# KiCad board Polygonus-Universal-Base.kicad_pcb (continued)
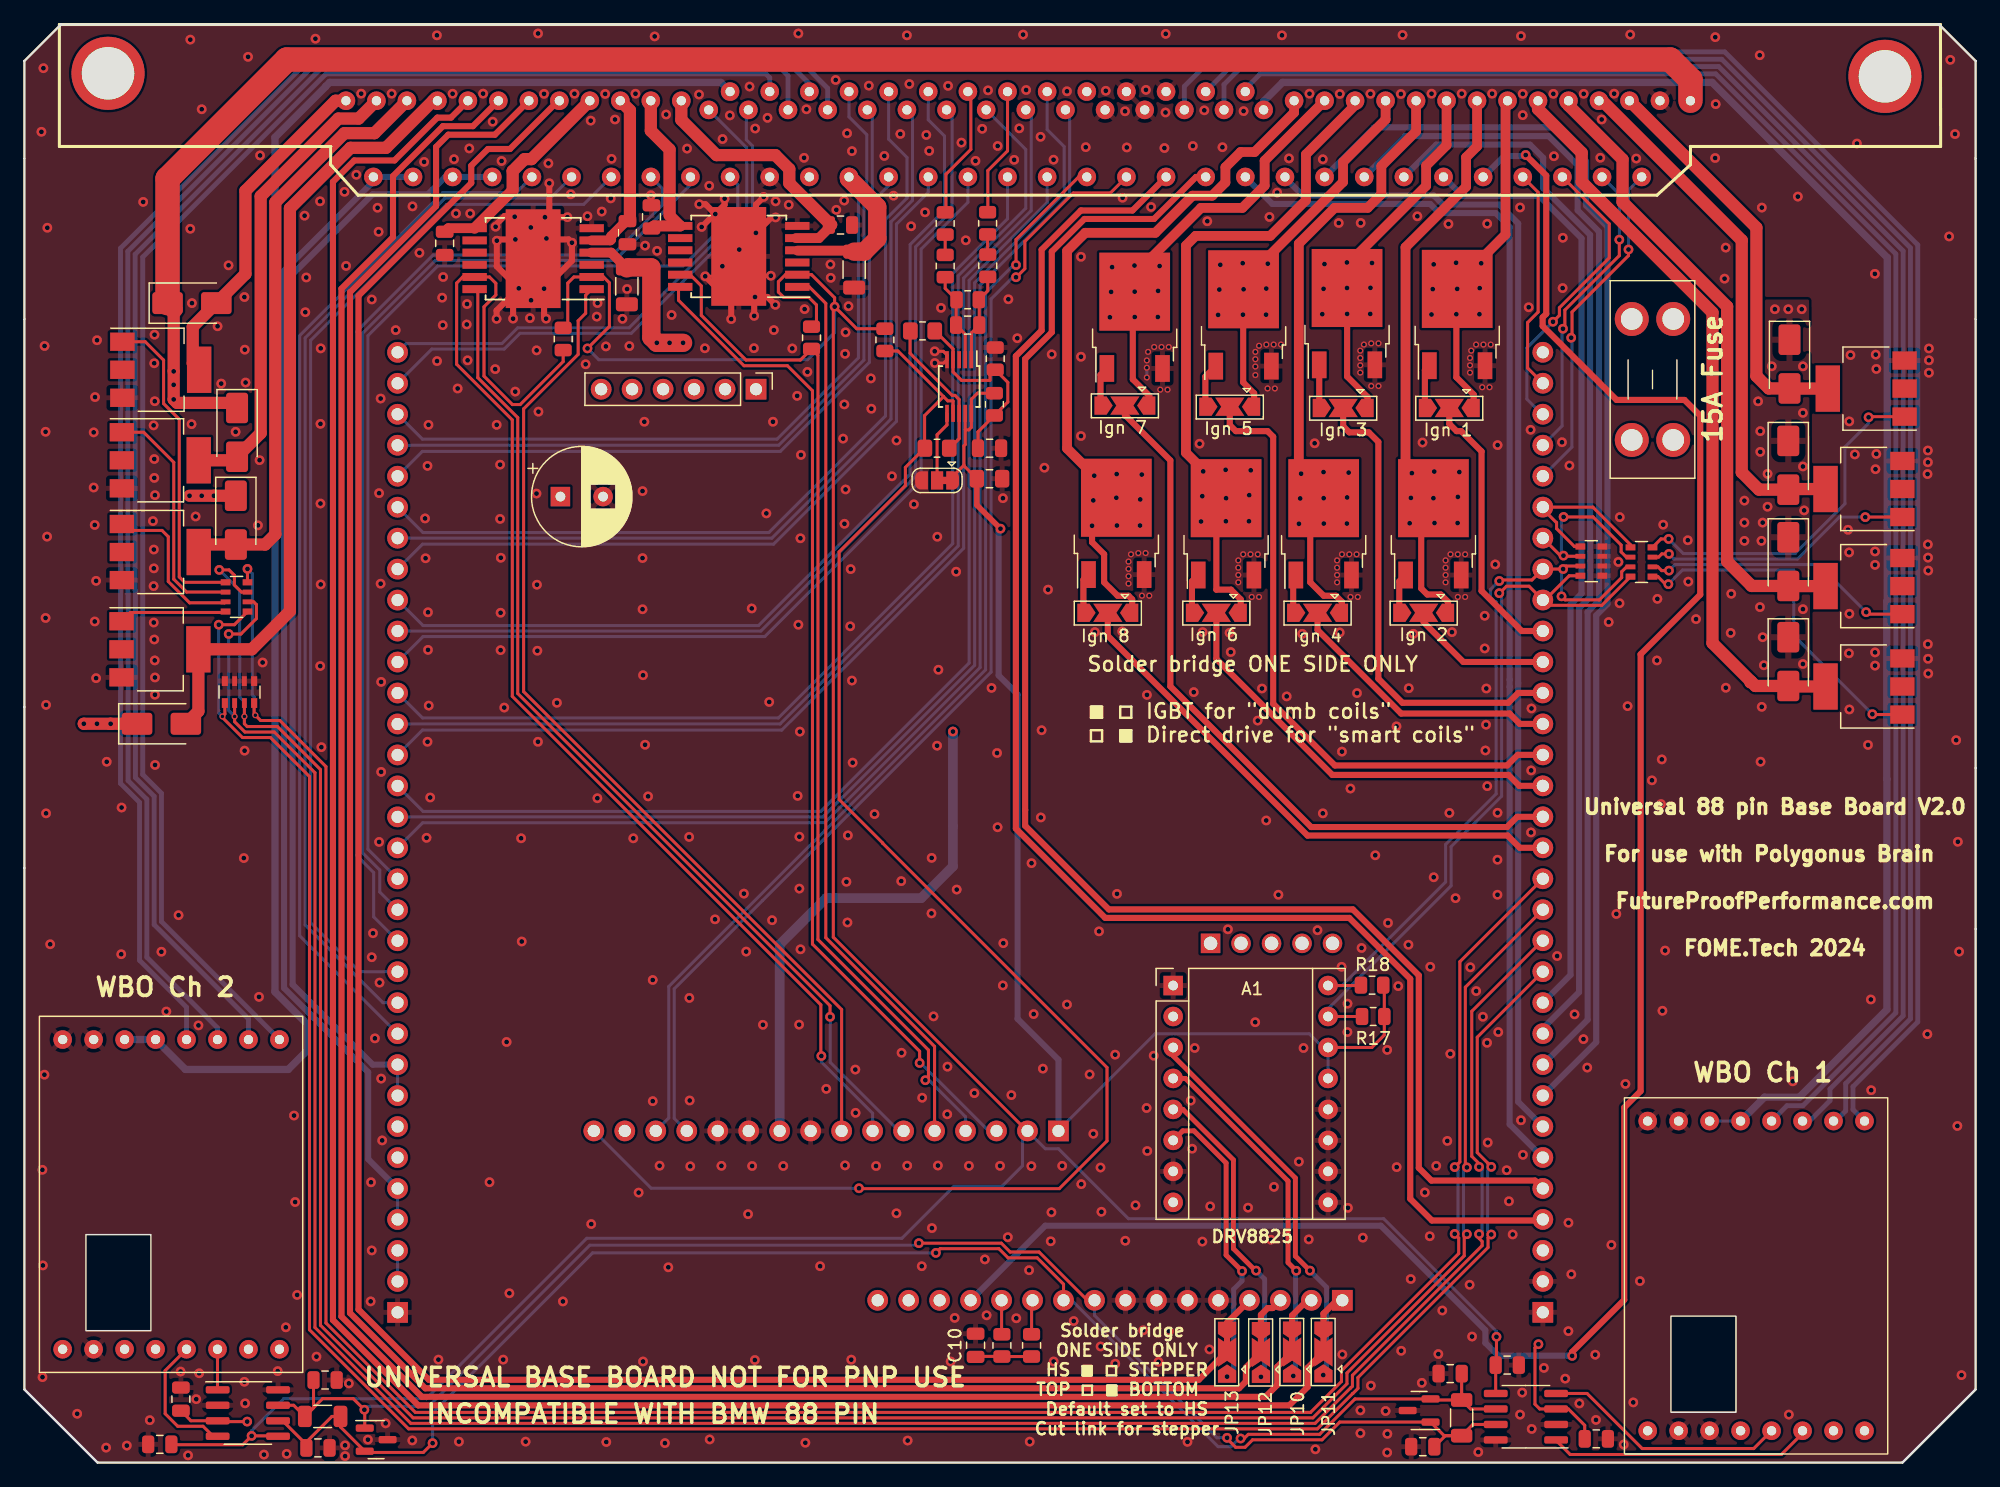
[diagram p0: board, top side]
## Routing (per net, layer and track width the routed paths; a pad name or vN(x,y) marks a point on that pad's centre or on a via; arc(x,y) is an arc through that point) (continued)
/KNOCK_1: length 43.6
  Bottom w0.25: J4.63 33.41,91.33 39.35,91.33 40.64,92.62 49.77,92.62 59.71,102.56 59.71,107.99 59.2,108.5 59.2,110.78 Motronic_88pin1.8
/KNOCK_2: length 43
  Bottom w0.25: J4.64 31.32,91.78 39.16,91.78 40.45,93.07 49.58,93.07 59.23,102.72 59.23,107.83 Motronic_88pin1.7
/LS1: length 128.2
  Top w0.5: J4.4 124.42,19.86 115.42,19.86 113.64,21.64 113.64,39.68 108.64,44.67 88.63,44.67 81.3,52.01 81.3,90.75 83.41,92.86 83.41,99.48 86.63,102.7 90.87,102.7 Motronic_88pin1.76
/LS2: length 127.2
  Top w0.5: J4.5 123.86,23.13 115.38,23.13 114.34,24.17 114.34,39.97 108.93,45.37 88.92,45.37 82.06,52.23 82.06,53.53 82.06,90.52 84.25,92.7 84.25,99.32 86.92,102 92.63,102 96.07,105.45 Motronic_88pin1.77
/LS3: length 100.8
  Bottom w0.5: Motronic_88pin1.78 102.33,103.23 115.27,103.23 116.03,102.48 120.65,102.48 121.79,101.34 121.79,64.21 121.79,27.75 J4.6
/LS4: length 95.6
  Bottom w0.5: J4.7 122.49,29.59 122.49,63.92 122.49,101.63 120.94,103.18 116.32,103.18 115.56,103.93 104.82,103.93 103.37,105.38 Motronic_88pin1.79
/LS5: length 103.8
  Bottom w0.5: Motronic_88pin1.80 110.69,109.51 125.25,109.51 128.07,106.7 128.07,103.09 129.82,101.34 129.82,70.42 128.89,69.49 128.89,34.48 J4.8
/LS6: length 96.3
  Bottom w0.5: Motronic_88pin1.81 113.22,108.79 124.98,108.79 127.37,106.41 127.37,102.71 129.12,100.96 129.12,70.71 128.18,69.77 128.18,36.32 J4.9
/LS7: length 88
  Bottom w0.5: Motronic_88pin1.82 115.77,108.09 123.46,108.09 124.54,107.01 124.54,104.55 128.39,100.7 128.39,70.98 127.48,70.08 127.48,38.58 124.51,35.61 J4.10
/LS8: length 77.4
  Bottom w0.5: Motronic_88pin1.83 117.93,103.88 124.22,103.88 127.69,100.41 127.69,71.27 126.78,70.37 126.78,40 J4.11
/LS9: length 60
  Top w0.25: v1(120.94,71.31) 120.97,71.31 121.54,71.88 123.38,71.88 J4.24 ; J4.24 124.95,70.31 129.35,70.31 RN2.4 ; J4.24 124.68,70.75 126.67,72.74 RN1.8 ; A1.15 R18.1
  Bottom w0.25: v1(120.94,71.31) 121.13,71.12 121.13,54.66 116.99,50.52 116.99,47.31 106.9,37.22 A1.15
/LS9ADD: length 61.2
  Top w1: U4.4 144.68,63.65 D501.2 141.94,63.7 141.64,64 141.54,64 141.54,64.1 138.43,67.21 138.43,94.32 127.7,105.05 127.7,107.43 124.12,111.01 Motronic_88pin1.53
/LS10: length 59.6
  Top w0.25: v1(120.94,72.31) 121.02,72.39 123.62,72.39 J4.25 126.17,73.29 v1(126.17,73.29) 126.42,73.54 RN1.7 ; v1(126.05,71.05) 126.34,70.76 129.15,70.76 130.98,72.59 130.98,73.07 131.37,73.46 RN2.3 ; A1.16 109.57,39.13 R17.2
  Bottom w0.25: v1(126.17,73.29) 126.05,73.16 v1(126.05,71.05) ; A1.16 108.04,39.13 116.54,47.63 116.54,50.7 120.68,54.84 120.68,70.58 120.64,70.58 120.22,71.01 120.22,71.61 120.64,72.03 120.94,72.03 v1(120.94,72.31)
/LS10ADD: length 52.1
  Top w1: U5.4 144.65,71.89 D502.2 141.64,71.9 139.63,73.91 139.63,94.82 131.05,103.39 131.05,106.88 126.62,111.31 Motronic_88pin1.26
/LS11: length 14.2
  Top w0.25: RN1.6 126.26,74.34 v1(126.2,74.39) 125.95,74.39 J4.26 ; RN2.2 131.36,74.26 130.93,74.69 130.93,75.26 128.63,77.56 v1(126.21,77.56)
  Bottom w0.25: v1(126.2,74.39) 126.02,74.57 126.02,77.37 v1(126.21,77.56)
/LS11ADD: length 43
  Top w1: Motronic_88pin1.54 129.38,111.7 140.82,100.25 140.82,81.21 142.24,79.8 D503.2 144.69,79.85 U7.4
/LS12: length 13.5
  Top w0.25: RN1.5 127.11,75.14 125.64,76.6 125.64,77.12 ; RN2.1 131.7,75.28 128.61,78.37 J4.27 124.51,78.21 125.6,77.12
/LS12ADD: length 33.2
  Top w1: U6.4 144.75,88.09 D504.2 143.04,88.1 142.02,89.11 142.02,101.29 Motronic_88pin1.27
/LS13: length 27.9
  Top w0.25: v1(126.84,92.26) 126.91,92.33 126.91,94.36 131.54,98.99 v1(131.54,99.49)
  Bottom w0.25: J4.28 126.89,83.29 126.89,92.2 v1(126.84,92.26) ; v1(131.54,99.49) 131.54,99.5 131.54,104.37 Motronic_88pin1.88
/LS14: length 25.2
  Top w0.25: v1(130.78,100.3) 130.78,98.99 126.32,94.53 126.32,93.15 v1(126.16,93)
  Bottom w0.25: v1(126.16,93) 126.09,92.92 126.09,85.02 J4.29 ; Motronic_88pin1.87 130.78,104.03 130.78,100.3 v1(130.78,100.3)
/LS15: length 24.4
  Top w0.25: v1(125.35,93.57) 125.87,94.09 125.87,94.72 129.96,98.81 129.96,101.6 Motronic_88pin1.86
  Bottom w0.25: v1(125.35,93.57) 123.2,91.43 123.2,87.23 124.44,85.99 J4.30
/LS16: length 18.3
  Top w0.25: Motronic_88pin1.85 124.13,104.19 124.13,94.37 123.26,93.5 123.26,89.78 J4.31
/LSU_Ip: length 136.3
  Bottom w0.4: Motronic_88pin1.48 100.12,112.67 101.35,113.9 138.69,113.9 153.46,99.13 153.46,36.9 145.84,29.27 144.53,29.27 U1.13
/LSU_Ip2: length 134.8
  Bottom w0.4: U14.13 13.3,37.34 9.44,41.2 9.44,54.15 7.88,55.71 7.88,99.6 23.98,115.7 62.89,115.7 65.87,112.72 Motronic_88pin1.10
/LSU_Rtrim: length 139.6
  Bottom w0.4: U1.15 148.51,28.01 149.35,28.85 149.35,31.09 154.66,36.4 154.66,99.62 139.18,115.1 99.52,115.1 Motronic_88pin1.47
/LSU_Rtrim2: length 131.3
  Bottom w0.4: Motronic_88pin1.9 62.62,113.74 61.86,114.5 24.48,114.5 9.08,99.1 9.08,71.51 9.1,71.49 9.1,56.19 10.64,54.65 10.64,44.13 18.38,36.39 U14.15
/LSU_Un: length 144.2
  Bottom w0.4: Motronic_88pin1.19 95.12,112.88 97.94,115.7 139.43,115.7 155.26,99.87 155.26,36.15 149.95,30.84 149.95,28.96 U1.16
/LSU_Un2: length 127.7
  Bottom w0.4: U14.16 11.24,44.37 11.24,54.9 9.7,56.43 9.7,98.87 24.73,113.9 60.8,113.9 61.12,113.58 Motronic_88pin1.36
/LSU_Vm: length 139.8
  Bottom w0.4: U1.14 146.38,28.01 148.06,29.69 148.06,30.65 154.06,36.65 154.06,99.38 138.93,114.5 99.84,114.5 98.37,113.03 Motronic_88pin1.20
/LSU_Vm2: length 131.6
  Bottom w0.4: Motronic_88pin1.37 64.37,113.09 62.36,115.1 24.23,115.1 8.48,99.35 8.48,71.27 8.5,71.24 8.5,55.94 10.04,54.4 10.04,41.45 15.84,35.65 U14.14
/Perm_Live: length 173.4
  Top w0.5: v1(126.92,8.75) 126.92,9.08 131.19,13.35 131.19,29.13 132.53,30.47 132.53,66.29 137.42,71.19 137.42,85.86 136.13,87.16 130.56,87.16 124.5,93.22 124.5,93.92 124.79,94.22 124.79,105.56 v1(123.11,107.24)
  Bottom w0.5: J4.77 83.71,19.43 111.23,19.43 119.8,10.86 119.8,9.82 120.85,8.77 126.9,8.77 v1(126.92,8.75) ; v1(123.11,107.24) 123.02,107.16 121.33,107.16 Motronic_88pin1.84
/RC1: length 2.8
  Top w0.25: R13.2 82.59,13.23 J4.75
/RC2: length 2.8
  Top w0.25: R14.2 80.13,10.55 J4.76
/VR1+: length 127.6
  Top w0.25: 75.37,87.43 71.63,91.17 R11.2 ; 75.37,87.43 73.81,85.87 73.81,83.2 72.24,81.62 72.24,80.13 66.81,74.7 66.81,54.39 70.38,50.81 70.38,50.8 88.77,32.4 88.77,26.39 84.86,22.47 68.47,22.47 v1(68.44,22.5) ; 75.37,87.43 75.72,87.08 76.13,87.08 76.15,87.06 U3.7
  Bottom w0.25: J4.96 51.39,22.5 v1(68.44,22.5)
Net-(A1-A1): length 29.3
  Top w0.4: A1.4 95.2,31.51 103.62,23.09 103.62,16.41 v1(104.29,15.73)
  Bottom w0.4: 103.96,7.12 104.24,7.39 104.24,15.68 v1(104.29,15.73)
  vias: v1(104.05,7.11)
Net-(A1-A2): length 32.2
  Top w0.4: v1(105.41,15.75) 104.22,16.94 104.22,23.34 94.2,33.36 A1.3
  Bottom w0.4: v1(106.51,7.18) 106.78,7.46 106.78,14.38 v1(105.41,15.75)
Net-(A1-B1): length 25.7
  Top w0.4: A1.5 95,28.97 99.14,24.83 99.14,17.55 100.94,15.75 v1(101,15.75)
  Bottom w0.4: v1(101,15.75) 101.7,15.05 101.7,7.34 v1(101.4,7.03)
Net-(A1-B2): length 24.3
  Top w0.4: A1.6 94.98,27.21 95.91,27.21 98.54,24.58 98.54,17.02 v1(99.85,15.71)
  Bottom w0.4: v1(98.62,7.05) 99.16,7.59 99.16,14.22 99.85,14.91 v1(99.85,15.71)
Net-(C10-Pad1): length 4.6
  Top w0.25: R13.1 R14.1 80.15,8.71 78,8.71
Net-(JP1-B): length 3.9
  Top w0.5: 115.21,89.67 Q1.1 114.84,89.59 JP1.3
Net-(JP2-C): length 5.8
  Top w0.25: U3.6 75.65,85.11 74.84,84.3 JP2.2
Net-(JP3-B): length 3.6
  Top w0.5: Q2.1 106.18,86.54 JP3.3
Net-(JP4-B): length 3.8
  Top w0.5: 97.79,89.92 97.78,89.93 Q3.1 96.84,89.08 JP4.3
Net-(JP5-B): length 3.3
  Top w0.5: JP5.3 88.24,89.22 Q4.1 88.74,89.74 88.73,89.73
Net-(JP6-B): length 3.4
  Top w0.5: JP6.3 112.74,72.28 Q5.1 113.24,72.8 113.18,72.74
Net-(JP7-B): length 3.2
  Top w0.5: Q6.1 104.04,72.58 JP7.3
Net-(JP8-B): length 3.3
  Top w0.5: Q7.1 95.74,72.28 JP8.3
Net-(JP9-B): length 3.4
  Top w0.5: 87.26,72.76 87.25,72.77 87.25,72.83 Q8.1 86.84,72.42 JP9.3
Net-(R2-Pad1): length 1.7
  Top w0.25: R2.1 R4.2
Net-(R3-Pad1): length 1.7
  Top w0.25: R3.1 78.98,99.09 R5.2
Net-(RN2-R1.2): length 29.1
  Top w0.25: U6.1 151.28,85.79 v1(151.22,85.73) ; v1(134.83,75.76) 134.2,75.76 RN2.8
  Bottom w0.25: v1(151.22,85.73) 151.22,85.24 149.29,83.31 149.29,78.64 145.2,74.56 136.03,74.56 v1(134.83,75.76)
Net-(RN2-R2.2): length 22.2
  Top w0.25: RN2.7 134,74.26 134.27,74.53 v1(134.85,74.53) ; v1(150.95,77.55) 150.95,77.55 U7.1
  Bottom w0.25: v1(134.85,74.53) 135.28,74.11 145.39,74.11 148.83,77.55 v1(150.95,77.55)
Net-(RN2-R3.2): length 22.5
  Top w0.25: RN2.6 133.95,73.46 134.26,73.16 v1(134.85,73.16) ; U5.1 151.19,69.59 v1(151.03,69.75)
  Bottom w0.25: v1(151.03,69.75) 147.12,73.66 135.35,73.66 v1(134.85,73.16)
Net-(RN2-R4.2): length 29.3
  Top w0.25: v1(134.81,72.05) 134.57,72.05 133.95,72.66 RN2.5 ; U4.1 151.56,61.35 v1(151.53,61.38)
  Bottom w0.25: v1(134.81,72.05) 135.96,73.21 145.09,73.21 145.09,67.83 v1(151.53,61.38)
Net-(RN4-R1.2): length 8.9
  Top w0.25: U11.1 8.69,69.72 16.42,69.72 RN4.8
Net-(RN4-R2.2): length 13.4
  Top w0.25: U12.1 8.52,76.45 11.28,76.45 11.8,75.94 11.8,72.27 13.55,70.52 16.42,70.52 RN4.7
Net-(RN4-R3.2): length 19.5
  Top w0.25: U10.1 9.78,84.51 12.25,82.04 12.25,72.45 13.3,71.4 RN4.6
Net-(RN4-R4.2): length 26.3
  Top w0.25: U9.1 9.91,91.93 11.42,90.42 11.42,86.86 12.7,85.57 12.7,72.64 13.14,72.2 RN4.5
Net-(U3-BIAS): length 16.2
  Top w0.25: C5.1 78.19,84.54 R7.2 80.64,86.99 80.64,88.6 R8.2 79.18,89.2 79.18,88.76 76.85,88.76 76.15,89.46 U3.4 76.15,91.34 74.67,92.82
Net-(U3-EXT): length 11.8
  Top w0.25: 72.62,92.82 72.62,90.98 76.08,87.53 76.31,87.53 76.65,87.19 U3.8 76.65,83.98 75.87,83.2
Net-(U3-IN+): length 7.4
  Top w0.25: U3.1 77.65,92.65 C4.2 78.3,95.34 R6.1 79,96.11 R5.1
Net-(U3-IN-): length 7.5
  Top w0.25: U3.2 77.15,92.54 C4.1 76.4,95.34 R6.2 75.51,96.3 R4.1

## Copper pours and planes (outline as drawn; the poured copper is in the pictures)
/12V_MR on Top: 138.44,67.4 141.84,63.9 146.44,63.8 146.34,95.4 138.44,95.4
/12V_MR on Bottom: 135.54,112.8 130.04,94.7 129.94,91.8 136.94,91.8 137.94,112.8
/12V_MR on In.Power.Cu: 135.34,113.4 138.04,113.2 146.74,95.5 146.74,64.7 139.44,64.7 138.74,85.9 137.64,88.1 129.44,92.6
/12V_MR_FUSE on In.Power.Cu: -4.46,122 -4.46,-5 169.54,-5 169.54,122
GND on Top, Bottom, In2.Gnd.Cu: 157.01,117.97 159.97,114.99 159.99,106.96 161.28,106.98 161.31,93.8 159.99,93.73 159.99,56.98 161.3,56.97 161.28,43.77 159.99,43.75 160.05,6.11 154,0.02 5.99,-0.02 -0.02,6.03 0.03,48.81 -0.76,48.86 -0.71,62.05 0.03,62.05 -0.02,93.76 -0.8,93.94 -0.67,107.09 0.07,106.94 0.02,106.96 0.05,107.02 0.03,114.95 3.04,118
/IGBT1 on Bottom: 121.27,101.26 121.25,84.18 113.83,84.21 113.86,101.28
/IGBT2 on Bottom: 118.96,83.11 118.94,64.03 111.52,64.06 111.56,83.14
/IGBT3 on Bottom: 112.57,101.23 112.56,84.16 105.13,84.18 105.17,101.25
/IGBT4 on Bottom: 110.43,82.98 110.41,63.83 102.98,63.86 103.03,83
/IGBT5 on Bottom: 103.93,101.2 103.92,84.13 96.49,84.15 96.53,101.23
/IGBT6 on Bottom: 101.88,82.92 101.87,63.9 94.44,63.93 94.48,82.94
/IGBT7 on Bottom: 95.09,101 95.08,83.92 87.31,83.94 87.35,101.02
/IGBT8 on Bottom: 93.23,83.02 93.21,63.94 85.78,63.97 85.82,83.04

## Text on the board
F.Silkscreen: Ign 8 | Ign 7 | Ign 6 | Ign 5 | Ign 4 | Ign 3 | Ign 2 | Ign 1 | Solder bridge / ONE SIDE ONLY / HS ■ □ STEPPER / TOP □ ■ BOTTOM / Default set to HS / Cut link for stepper | DRV8825 | Solder bridge ONE SIDE ONLY / ■ □ IGBT for {dblquote}dumb coils{dblquote} / □ ■ Direct drive for {dblquote}smart coils{dblquote} | Universal 88 pin Base Board V2.0 / For use with Polygonus Brain / FutureProofPerformance.com / FOME.Tech 2024 | WBO Ch 2 | INCOMPATIBLE WITH BMW 88 PIN | UNIVERSAL BASE BOARD NOT FOR PNP USE | WBO Ch 1 | 15A Fuse
